# Altium PCB PMSM_Motor_Controller_v2_PCB.PcbDoc (part 2 of 3) (continued)
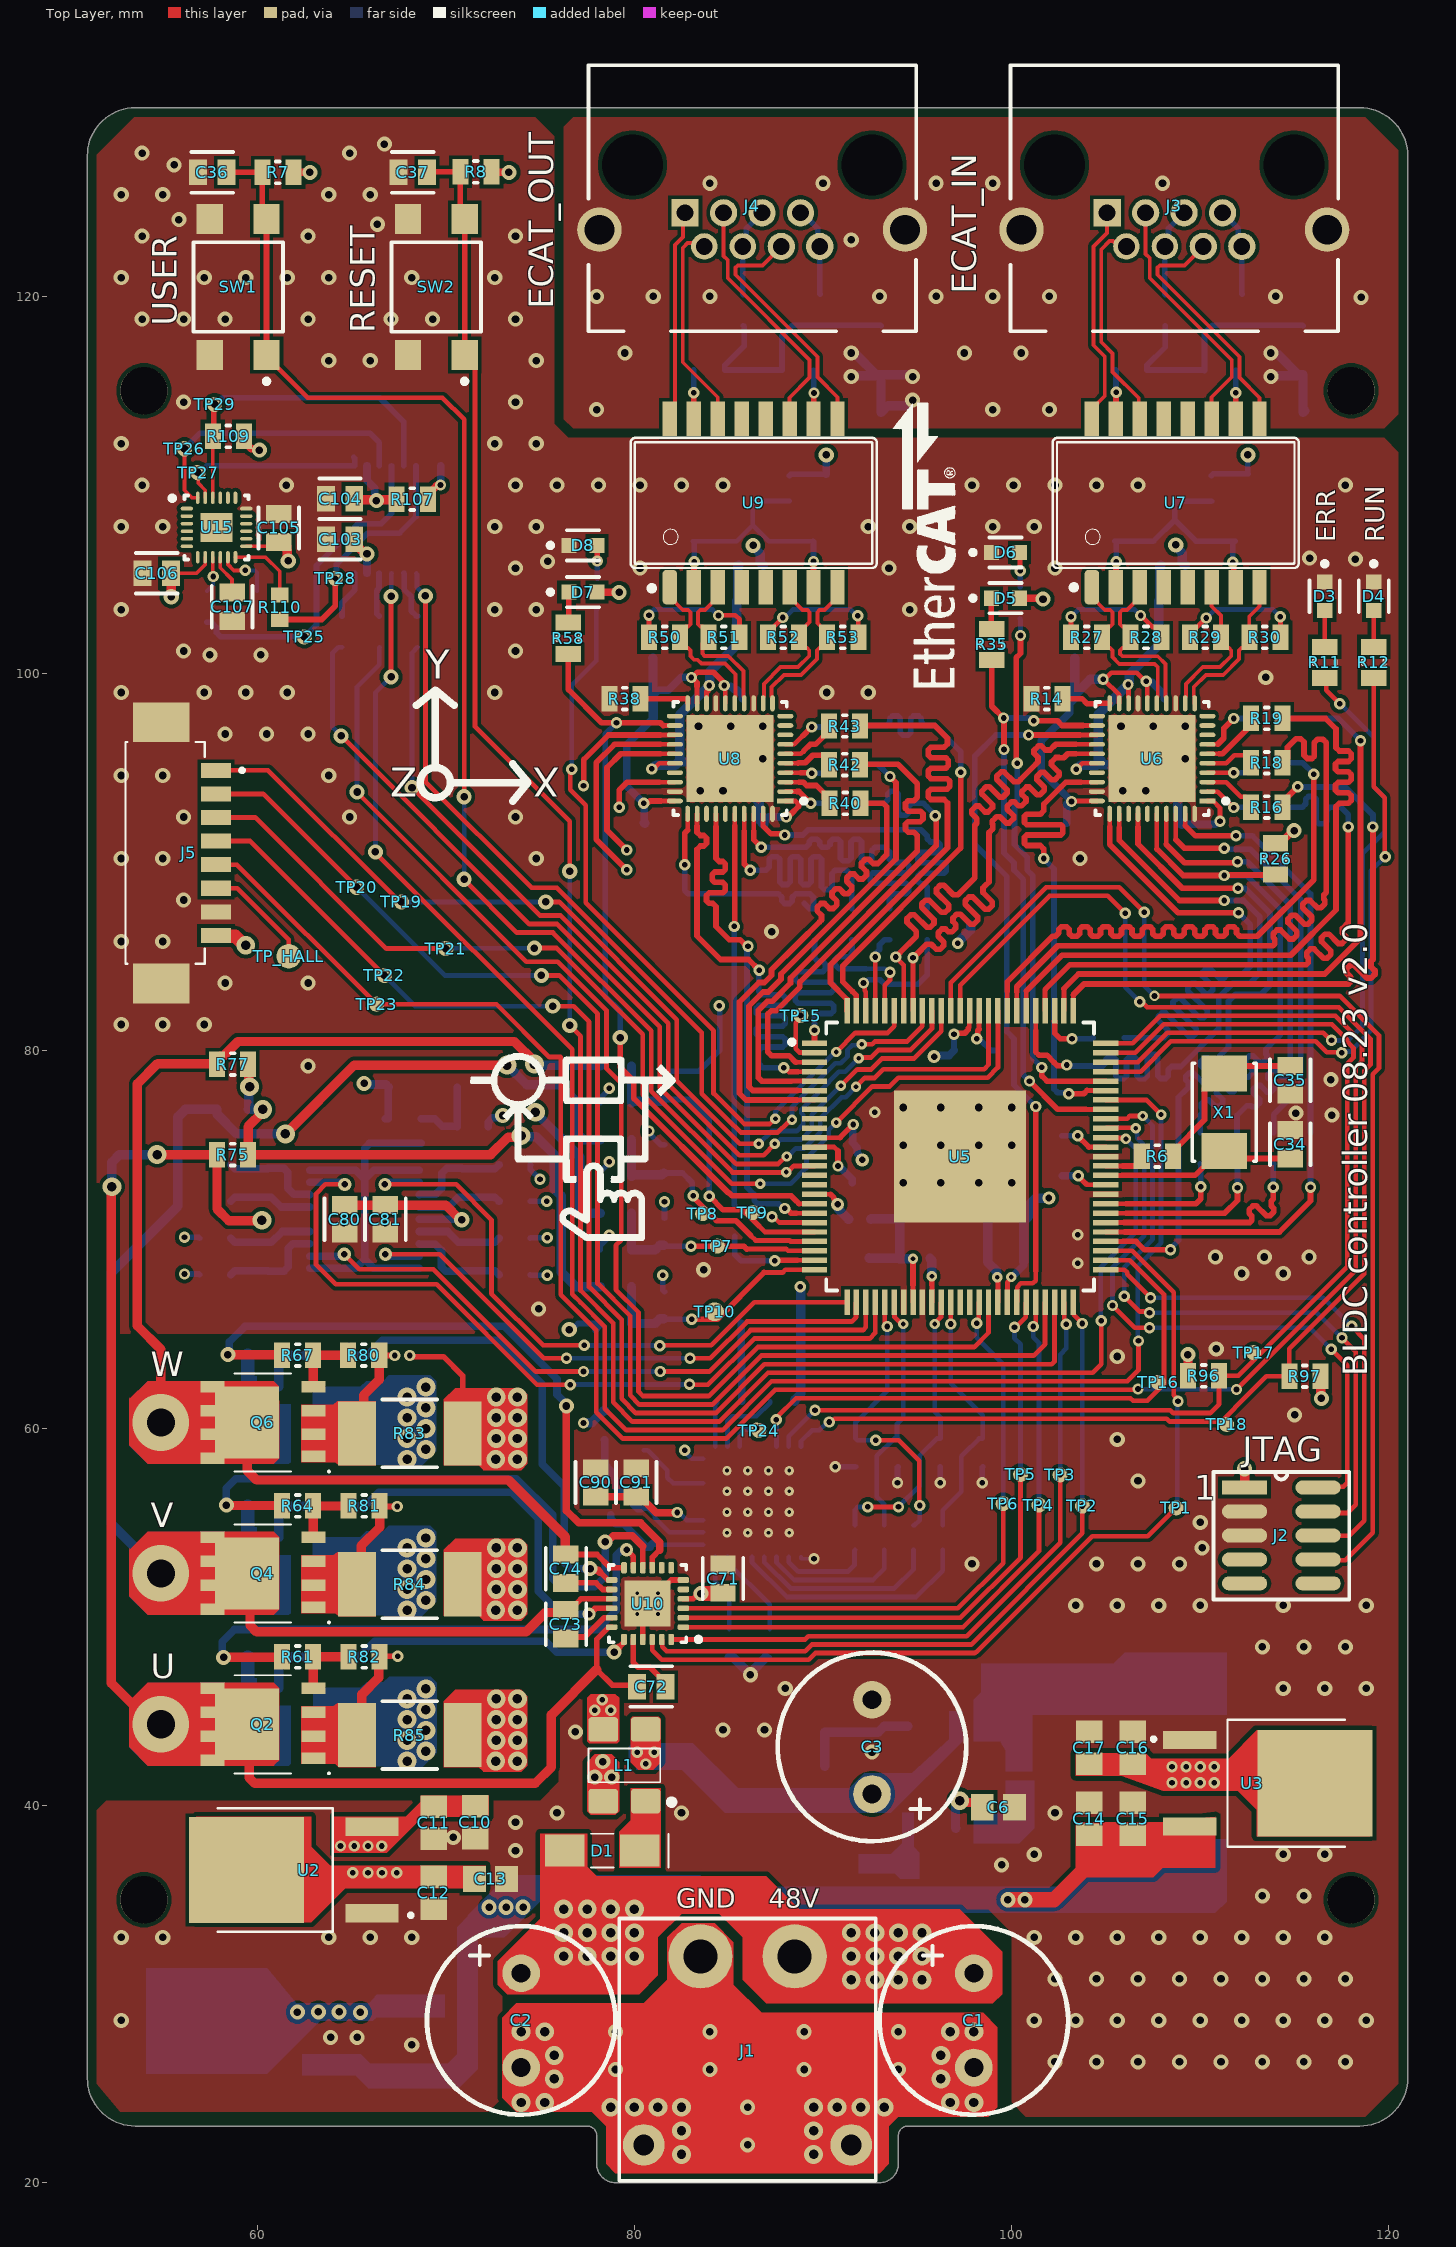
[diagram p0: Top Layer view]
## Nets (pads, with @x,y where several pads share a name; then routed paths per layer and width w, separated by ;. In a path a pad name is that pad's centre, name@x,y a point inside that pad or via, vN(x,y) a via of type N, cw(c..) or ccw(c..) an arc to the next point about the centre after c; other vN are vias at no path point) (continued)
  Top Layer w0.25: 88.33,78.4 88.335,78.4 U5.5@89.55,78.4
  Top Layer w0.3: 88.33,78.4 86.751,78.4 86.575,78.576 86.575,82.156 87.044,82.625 87.308,82.625 88.275,83.592 88.275,83.868 95,90.593 95,91.275 95,91.425 94.824,91.601 94.514,91.601 94.375,91.739 94.375,92.016 94.514,92.155 95.162,92.155 95.3,92.293 95.3,92.57 95.162,92.709 94.514,92.709 94.375,92.847 94.375,93.124 94.514,93.263 94.824,93.263 95,93.438 95,94.08 95,94.168 93.968,95.2 92,95.2 R42.1@91.975,95.175
ECAT_OUT_TXD2: R43.1 U5.100 | length 27.7
  Top Layer w0.3: U5.100@91.275,82.125 91.275,82.733 90.398,83.61 90.398,84.565 96.6,90.767 96.6,93 96.6,93.15 96.424,93.326 95.722,93.326 95.584,93.464 95.584,93.741 95.722,93.88 96.584,93.88 96.722,94.018 96.722,94.295 96.584,94.434 95.722,94.434 95.584,94.572 95.584,94.849 95.722,94.988 96.512,94.988 96.65,95.126 96.65,95.403 96.512,95.542 95.722,95.542 95.584,95.68 95.584,95.957 95.722,96.096 96.424,96.096 96.6,96.271 96.6,96.575 95.925,97.25 92,97.25 R43.1@91.975,97.225
ECAT_OUT_TXD3: R44.1 U5.99 | length 24.9
  Top Layer w0.25: 91.77,82.83 91.77,82.13 U5.99@91.775,82.125
  Top Layer w0.3: 91.77,82.83 91.77,82.945 91.565,83.15 91.057,83.658 91.057,84.517 97.3,90.76 v2(97.3,94.775)
  Bottom Layer w0.3: R44.1@91.975,97.225 92,97.25 93.219,97.25 93.369,97.25 93.545,97.426 93.545,97.62 93.684,97.758 93.961,97.758 94.099,97.62 94.099,96.88 94.238,96.742 94.515,96.742 94.653,96.88 94.653,97.62 94.792,97.758 95.069,97.758 95.207,97.62 95.207,97.426 95.383,97.25 95.925,97.25 97.3,95.875 v2(97.3,94.775)
ECAT_PHY_CLK25: R10.2 U5.70 U6.28 U8.28 | length 54.8
  Top Layer w0.25: 81.325,94.25 U8.28@82.147,94.25 ; 103.675,94.25 U6.28@104.522,94.25 ; 104,77.9 U5.70@105,77.9
  Top Layer w0.3: v2(79.2,92.925) 79.2,93.825 79.625,94.25 81.325,94.25 ; v2(101.7,90.2) 101.7,90.563 101.7,90.713 101.524,90.888 100.795,90.888 100.684,90.999 100.684,91.331 100.795,91.442 102.605,91.442 102.716,91.553 102.716,91.885 102.605,91.996 100.795,91.996 100.684,92.107 100.684,92.439 100.795,92.55 101.524,92.55 101.7,92.726 101.7,93.075 101.718,93.093 102.875,94.25 103.075,94.25 103.675,94.25 ; v2(103.025,77.725) 103.825,77.725 104,77.9
  Int2 (PWR) w0.3: v2(79.2,92.925) 80.5,91.625 84.981,91.625 86.456,90.15 101.65,90.15 v2(101.7,90.2)
  Bottom Layer w0.3: v2(101.7,90.2) 102.25,89.65 102.25,83.125 102.25,77.975 102.443,77.782 102.968,77.782 v2(103.025,77.725)
ECAT_PHY_MCLK: U5.93 U6.25 U8.25 | length 55.2
  Top Layer w0.25: 81.375,95.75 U8.25@82.147,95.75 ; U5.93@94.775,82.125 v2(94.775,84.934) ; 103.4,95.75 U6.25@104.522,95.75
  Top Layer w0.3: v2(79.6,90.65) 78.55,91.7 78.55,95.025 79.275,95.75 81.375,95.75 ; v2(94.775,84.934) 94.996,85.154 95.493,85.652 95.742,85.652 96.01,85.384 96.206,85.384 96.402,85.58 96.402,85.776 96.107,86.07 96.107,86.266 96.303,86.462 96.499,86.462 96.648,86.313 96.844,86.313 97.04,86.509 97.04,86.705 96.891,86.854 96.891,87.05 97.087,87.246 97.283,87.246 97.805,86.723 98.001,86.723 98.197,86.919 98.197,87.115 97.545,87.767 97.545,87.963 97.741,88.159 97.936,88.159 98.589,87.506 98.784,87.506 98.98,87.702 98.98,87.898 98.484,88.394 98.484,88.643 98.596,88.754 98.8,88.959 98.8,91.575 98.848,91.623 98.887,91.662 98.993,91.768 98.993,92.017 98.98,92.03 98.98,92.187 99.215,92.422 99.372,92.422 99.714,92.079 99.871,92.079 100.106,92.314 100.106,92.471 99.763,92.813 99.763,92.97 99.998,93.205 100.155,93.205 100.371,92.99 100.527,92.99 100.762,93.225 100.762,93.381 100.547,93.597 100.547,93.754 100.782,93.989 100.939,93.989 101.344,93.583 101.501,93.583 101.736,93.818 101.736,93.975 101.33,94.38 101.33,94.537 101.565,94.772 101.722,94.772 102.128,94.367 102.284,94.367 102.519,94.602 102.519,94.758 102.114,95.164 102.114,95.321 102.349,95.556 102.506,95.556 102.519,95.542 102.767,95.542 102.975,95.75 103.015,95.75 103.055,95.75 103.4,95.75
  Int2 (PWR) w0.3: v2(79.6,90.65) 81.775,88.475 91.269,88.475 94.775,84.969 v2(94.775,84.934)
ECAT_PHY_MDO: U5.94 U6.24 U8.24 | length 58.4
  Top Layer w0.25: 81.375,96.25 U8.24@82.147,96.25 ; v2(93.85,84.975) 94.275,84.55 U5.94@94.275,82.125 ; 103.4,96.25 U6.24@104.522,96.25
  Top Layer w0.3: v2(79.597,89.597) 77.975,91.219 77.975,95.275 78.95,96.25 81.375,96.25 ; v2(93.85,84.975) 94.061,85.186 94.95,86.075 94.95,86.324 94.454,86.82 94.454,87.016 94.65,87.212 94.846,87.212 95.498,86.56 95.694,86.56 95.89,86.756 95.89,86.952 95.238,87.604 95.238,87.799 95.433,87.995 95.629,87.995 96.281,87.343 96.477,87.343 96.673,87.539 96.673,87.735 96.021,88.387 96.021,88.583 96.217,88.779 96.413,88.779 96.909,88.283 97.158,88.283 98,89.125 98.05,89.175 98.05,91.964 98.156,92.07 98.156,92.318 97.878,92.596 97.878,92.753 98.113,92.988 98.27,92.988 98.594,92.664 98.75,92.664 98.985,92.899 98.985,93.056 98.424,93.618 98.424,93.774 98.659,94.009 98.815,94.009 99.377,93.448 99.534,93.448 99.769,93.683 99.769,93.839 99.207,94.401 99.207,94.558 99.442,94.793 99.599,94.793 100.115,94.277 100.363,94.277 100.474,94.388 101.296,95.21 101.402,95.316 101.402,95.565 101.187,95.78 101.187,95.937 101.422,96.172 101.579,96.172 101.794,95.956 102.042,95.956 102.317,96.23 102.336,96.25 103.4,96.25
  Int2 (PWR) w0.3: v2@79.575,89.619 v2(79.597,89.597) 79.597,89.553 81.3,87.85 90.975,87.85 v2(93.85,84.975)
ECAT_PHY_RST: C38.2 R9.1 U5.44 U6.23 U8.23 | length 78.1
  Top Layer w0.25: 81.375,96.75 U8.23@82.147,96.75 ; U5.44@100.275,66.675 100.295,66.695 100.295,67.475 100.495,67.675 101.129,67.675 101.275,67.821 101.275,68.341 ; 103.625,96.75 U6.23@104.522,96.75
  Top Layer w0.3: v2(77.3,94.05) 77.325,94.075 77.325,95.45 78.625,96.75 81.375,96.75 ; v2(100.9,96.75) 103.625,96.75 ; 101.275,68.341 v2(101.275,77.05)
  Int2 (PWR) w0.3: v2(77.3,94.05) 77.3,90.975 81.025,87.25 87.411,87.25 89.325,85.336 89.325,84.425 94.925,78.825 99.5,78.825 v2(101.275,77.05)
  Bottom Layer w0.3: v2(100.9,96.75) 99.175,96.75 98.05,95.625 98.05,90.95 99.75,89.25 99.75,87.775 99.75,86.675 99.75,85.7 99.75,84.6 99.75,81.02 100.125,80.645 100.125,78.2 v2(101.275,77.05)
ENC_COS_N: C100.1 R100.2 U5.36 | length 15.3
  Top Layer w0.25: v2(92.375,55.825) v2(94,55.825) ; v4(95.925,65.525) 95.925,65.545 96.255,65.875 96.255,66.655 U5.36@96.275,66.675
  Bottom Layer w0.25: R100.2@91.7,54.85 91.7,55.679 91.846,55.825 v2(92.375,55.825) ; v2(94,55.825) 95.125,56.95 95.125,58.55 96.025,59.45 C100.1@96.225,59.45 96.225,60.575 95.925,60.875 v4(95.925,65.525)
ENC_COS_P: C99.1 R101.2 U5.37 | length 13.5
  Top Layer w0.25: v2(96.773,65.526) U5.37@96.775,66.675
  Bottom Layer w0.25: R101.2@96.35,54.85 96.35,55.65 97.325,56.625 97.325,58.504 97.471,58.65 97.475,58.65 98.275,59.45 C99.1@98.475,59.45 98.475,60.675 96.773,62.377 v2(96.773,65.526)
ENC_MAG: TP15.1 U5.2 U13.32 | length 32.8
  Top Layer w0.25: v2(88.825,81.875) 88.825,81.78 88.55,81.505 88.55,80.12 88.75,79.92 89.53,79.92 U5.2@89.55,79.9
  Int2 (PWR) w0.25: v2(82.675,58.825) 82.675,59.5 85.475,62.3 85.475,82.025 86.1,82.65 88.629,82.65 88.775,82.504 88.775,81.925 v2(88.825,81.875)
  Bottom Layer w0.25: v2(82.675,58.825) 82.675,58.73 83.03,58.375 U13.32@83.635,58.375
ENC_SCL: R97.1 TP18.1 U5.88 U13.8 | length 77.9
  Top Layer w0.25: v2(90.325,60.325) 90.42,60.325 90.595,60.5 108.23,60.5 108.38,60.35 111.109,60.35 112.55,61.791 113.509,62.75 R97.1@114.725,62.75 114.725,64.202 118.7,68.177 118.7,78.943 119.025,79.268 119.025,80.646 117.356,82.315 107.18,82.315 106.887,82.608 v2(106.792,82.608) ; U5.88@97.275,82.125 97.275,83.489 102.011,88.225 105.1,88.225 v2(106.025,87.3)
  Bottom Layer w0.25: U13.8@88.835,59.025 88.835,59.3 89.42,59.885 89.81,59.885 90.251,60.325 v2(90.325,60.325) ; v2(106.025,87.3) 106.025,83.375 v2(106.792,82.608)
ENC_SDA: R96.1 TP17.1 U5.74 U13.7 | length 61
  Top Layer w0.25: v2(89.575,60.95) 108.416,60.95 108.566,60.8 110.525,60.8 111,61.275 R96.1@111,62.775 112.025,62.775 117.8,68.55 117.8,79.316 118.125,79.641 118.125,80.159 117.8,80.484 117.8,80.598 116.983,81.415 108.076,81.415 106.561,79.9 U5.74@105,79.9
  Bottom Layer w0.25: U13.7@88.185,59.025 88.185,59.56 v2(89.575,60.95)
ENC_SIN_N: C102.1 R98.2 U5.30 | length 15.4
  Top Layer w0.25: v2(92.8,59.359) 94.016,59.359 95.1,58.275 95.1,55.925 v2(95.125,55.9) ; U5.30@93.275,66.675 93.275,65.606 93.4,65.481 v2(93.4,65.386)
  Bottom Layer w0.25: v2(92.8,59.359) 91.816,59.359 C102.1@91.725,59.45 91.725,60.3 93.4,61.975 v2(93.4,65.386) ; R98.2@94.8,54.85 94.85,54.85 95.125,55.125 v2(95.125,55.9)
ENC_SIN_P: C101.1 R99.2 U5.31 | length 13
  Top Layer w0.25: U5.31@93.775,66.675 93.795,66.655 93.795,65.875 94.088,65.582 94.193,65.582 v4(94.25,65.525)
  Bottom Layer w0.25: R99.2@93.25,54.85 93.25,55.975 92.85,56.375 92.85,58.525 93.775,59.45 C101.1@93.975,59.45 93.925,59.5 93.925,60.225 94.25,60.55 v4(94.25,65.525)
ENC_TO: TP24.1 U5.20 U13.3 | length 15.9
  Top Layer w0.25: v2(87.3,71.2) 87.395,71.2 87.695,70.9 U5.20@89.55,70.9
  Int2 (PWR) w0.25: v2(86.475,60) 86.5,60.025 86.5,70.85 86.8,71.15 87.25,71.15 v2(87.3,71.2)
  Bottom Layer w0.25: U13.3@85.585,59.025 85.585,59.685 85.833,59.933 86.408,59.933 v2(86.475,60)
ENC_ZERO: TP16.1 U5.52 U13.6 | length 31.5
  Top Layer w0.25: v2(87.525,60.45) 87.525,60.545 88.57,61.589 106.302,61.589 106.441,61.45 107.2,61.45 108.075,62.325 108.075,67.089 106.264,68.9 U5.52@105,68.9
  Bottom Layer w0.25: v2(87.525,60.45) 87.535,60.44 U13.6@87.535,59.025
GATE_DRV_HA: TP1.1 U5.53 U10.22 | length 48
  Top Layer w0.25: U10.22@80.95,48.8 80.95,48.221 81.446,47.725 89.25,47.725 89.6,48.075 98.036,48.075 98.086,48.125 98.125,48.125 104.275,54.275 107.225,54.275 v2(108.725,55.775) ; U5.53@105,69.4 106.4,69.4 108.6,67.2 108.6,61.745 108.825,61.52 v2(108.825,61.425)
  Bottom Layer w0.25: v2(108.725,55.775) 108.775,55.825 108.775,61.375 v2(108.825,61.425)
GATE_DRV_HB: TP2.1 U5.50 U10.23 | length 37.8
  Top Layer w0.25: U10.23@81.45,48.8 81.475,48.775 81.475,48.409 81.709,48.175 89.064,48.175 89.414,48.525 97.85,48.525 103.75,54.425 v2(103.75,55.875) ; U5.50@103.275,66.675 103.295,66.655 103.295,66.005 v2(103.75,65.55)
  Bottom Layer w0.25: v2(103.75,55.875) v2(103.75,65.55)
GATE_DRV_HC: TP3.1 U5.49 U10.24 | length 35.7
  Top Layer w0.25: U10.24@81.95,48.8 89.052,48.8 89.227,48.975 97.625,48.975 102.575,53.925 v2(102.575,57.525) ; U5.49@102.775,66.675 102.795,66.655 102.795,65.716 102.9,65.611 v2(102.9,65.516)
  Bottom Layer w0.25: v2(102.575,57.525) 102.575,63.9 102.9,64.225 v2(102.9,65.516)
GATE_DRV_LA: TP4.1 U5.46 U10.1 | length 33.9
  Top Layer w0.25: U10.1@82.6,49.45 97.423,49.45 101.45,53.477 v2(101.45,55.925) ; v2(101.15,65.386) 101.15,65.481 101.275,65.606 U5.46@101.275,66.675
  Bottom Layer w0.25: v2(101.15,65.386) 101.15,64.825 101.45,64.525 v2(101.45,55.925)
GATE_DRV_LB: TP5.1 U5.45 U10.2 | length 33.2
  Top Layer w0.25: U10.2@82.6,49.95 97.286,49.95 100.475,53.139 v2(100.475,57.55) ; v2(100.15,65.35) 100.23,65.35 100.755,65.875 100.755,66.655 U5.45@100.775,66.675
  Bottom Layer w0.25: v2(100.15,65.35) 100.15,64.775 100.475,64.45 v2(100.475,57.55)
GATE_DRV_LC: TP6.1 U5.40 U10.3 | length 32.4
  Top Layer w0.25: U10.3@82.6,50.45 97.15,50.45 99.55,52.85 v2(99.55,56) ; v2(98.15,65.556) 98.15,65.651 98.255,65.756 98.255,66.655 U5.40@98.275,66.675
  Bottom Layer w0.25: v2(98.15,65.556) 98.15,64.8 99.55,63.4 v2(99.55,56)
GND: C3.1 C4.1 C6.1 C7.1 C8.1 C9.1 C10.1 C11.1 C12.1 C13.1 C14.1 C15.1 C16.1 C17.1 C18.1 C19.1 C20.1 C21.1 C22.2 C23.1 C24.2 C25.2 C26.2 C27.2 C28.2 C29.2 C30.2 C31.2 C32.2 C33.2 C34.1 C35.1 C36.2 C37.2 C38.1 C39.2 C40.1 C41.1 C42.1 C43.2 C44.2 C45.2 C46.2 C47.2 C48.2 C49.2 C50.2 C51.2 C52.2 C53.2 C55.2 C56.1 C57.1 C58.1 C59.2 C60.2 C61.2 C62.2 C63.2 C64.2 C65.2 C66.2 C67.2 C68.2 C69.2 C71.2 C79.1 C80.1 C81.1 C86.2 C87.2 C88.2 C89.2 C90.2 C91.2 C92.2 C93.2 C94.2 C95.2 C96.2 C97.2 C98.2 C99.2 C100.2 C101.2 C102.2 C103.2 C104.2 C105.2 C106.2 C107.1 D2.1 D3.1 D4.1 D6.1 D8.1 J2.3 J2.5 J5.7 J5.S1 J5.S2 L1.3 R2.1 R4.1 R10.1 R14.1 R38.1 R87.2 R111.1 SW1.3 SW1.4 SW2.3 SW2.4 U1.3 U1.6 U2.1 U3.1 U4.1 U5.32 U5.34 U5.59 U5.63 U5.101 U6.13 U6.17 U6.29 U6.40 U6.41 U8.13 U8.17 U8.29 U8.40 U8.41 U10.6 U10.21 U10.25 U11.2 U12.16 U13.4 U13.17 U13.28 U13.29 U13.33 U14.9 U15.18 | length 10.5
  Top Layer w0.3: v5(80.15,50.15) 80.45,49.85 U10.21@80.45,48.8 ; v5(81.25,51.25) 81.95,51.95 U10.6@82.6,51.95
  Bottom Layer w0.2: v1(86.15,46.925) v1@86.15,47.025 ; C86.2@86.975,47.85 C86.2@87.175,47.85 C86.2@87.2,47.875 ; U13.17@88.835,53.175 88.835,53.098 88.858,53.075 v2(89.525,53.075)
  Bottom Layer w0.3: v2(90.65,57.95) C102.2@91.725,57.95 ; v2(93.95,57.1) 93.95,57.925 C101.2@93.975,57.95 ; v2(96.225,57.1) C100.2@96.225,57.95 ; v2(98.45,57.1) 98.45,57.925 C99.2@98.475,57.95
  Bottom Layer w0.5: C87.2@85.025,47.85 85.225,47.85 v1(86.15,46.925) ; v1@86.15,47.025 C86.2@86.975,47.85
  other v1: 102.3,26.4 104.5,26.4 106.7,26.4 108.9,26.4 111.1,26.4 113.3,26.4 115.5,26.4 117.7,26.4 68.2,27.3 63.9,27.7 65.3,27.7 52.8,28.6 101.2,28.6 103.4,28.6 105.6,28.6 107.8,28.6 110,28.6 112.2,28.6 114.4,28.6 116.6,28.6 118.8,28.6 102.3,30.8 104.5,30.8 106.7,30.8 108.9,30.8 111.1,30.8 113.3,30.8 115.5,30.8 117.7,30.8 52.8,33 55,33 63.8,33 66,33 68.2,33 101.2,33 103.4,33 105.6,33 107.8,33 110,33 112.2,33 114.4,33 116.6,33 113.3,35.2 115.5,35.2 99.475,36.85 101.2,37.4 114.4,37.4 116.6,37.4 73.7,37.6 70.4,38.3 73.7,39.1 75.9,39.6 82.5,39.6 102.3,39.6 92.6,42.825 76.875,43.9 84.7,44 86.9,44 88,46.2 114.4,46.2 116.6,46.2 118.8,46.2 113.3,48.4 115.5,48.4 117.7,48.4 103.4,50.6 105.6,50.6 107.8,50.6 110,50.6 114.4,50.6 118.8,50.6 97.9,52.8 104.5,52.8 106.7,52.8 108.9,52.8 110.1,53.65 110,55 106.7,57.2 105.6,59.4 115,60.7 105.6,63.8 110.85,64.2 74.925,66.325 112.2,68.2 114.4,68.2 83.675,68.4 110.8,69.075 113.4,69.075 115.775,69.075 94.25,73 96.25,73 98.25,73 100,73 94.25,75 96.25,75 98.25,75 100,75 116.975,76.6 115.075,76.7 94.25,77 96.25,77 98.25,77 100,77 116.925,78.475 62.7,79.2 52.8,81.4 55,81.4 57.2,81.4 58.3,83.6 62.7,83.6 52.8,85.8 55,85.8 87.275,86.325 56.1,88 52.8,90.2 55,90.2 74.8,90.2 103.625,90.2 56.1,92.4 64.9,92.4 73.7,92.4 83.5,93.8 84.7,93.8 105.9,93.8 107.1,93.8 52.8,94.6 55,94.6 63.8,94.6 86.8,95.5 109.2,95.5 58.3,96.8 60.5,96.8 62.7,96.8 83.4,97.2 85.1,97.2 86.8,97.2 105.8,97.2 107.5,97.2 109.2,97.2 52.8,99 57.2,99 59.4,99 61.6,99 72.6,99 90.2,99 92.4,99 113.475,99.8 57.5,101 60.2,101 56.1,101.2 73.7,101.2 52.8,103.4 72.6,103.4 74.8,103.4 94.6,103.4 73.7,105.6 80.3,105.6 93.5,105.6 102.3,105.6 75.4,105.95 118.225,106.075 115.8,106.125 52.8,107.8 55,107.8 72.6,107.8 74.8,107.8 92.4,107.8 94.6,107.8 99,107.8 101.2,107.8 53.9,110 61.55,110 73.7,110 75.9,110 78.1,110 80.3,110 82.5,110 84.7,110 97.9,110 100.1,110 102.3,110 104.5,110 106.7,110 117.7,110 52.8,112.2 72.6,112.2 74.8,112.2 56.1,114.4 73.7,114.4 63.8,116.6 66,116.6 74.8,116.6 53.9,118.8 56.1,118.8 58.3,118.8 62.7,118.8 67.1,118.8 69.3,118.8 73.7,118.8 52.8,121 57.2,121 59.4,121 61.6,121 63.8,121 68.2,121 72.6,121 53.9,123.2 62.7,123.2 73.7,123.2 66.375,123.825 55.85,124.075 52.8,125.4 55,125.4 63.8,125.4 66,125.4 55.6,126.975 53.9,127.6 64.9,127.6 66.75,128.075
  other v2: 77.9,45.05 78.75,45.05 78.3,45.6 103.5,68.75 103.5,70.25 64.6,70.85 66.8,70.85 92.75,76.75
  other v5: 81.25,50.15 80.15,51.25 84.91,54.45 86.01,54.45 87.11,54.45 88.21,54.45 84.91,55.55 86.01,55.55 87.11,55.55 88.21,55.55 84.91,56.65 86.01,56.65 87.11,56.65 88.21,56.65 84.91,57.75 86.01,57.75 87.11,57.75 88.21,57.75
GND_C: C1.1 C2.1 C75.1 C76.1 C77.1 C78.1 J1.2 J1.g L1.4 R70.2 R72.2 R74.2 R79.2 R83.1 R84.1 R85.1 R89.1 R91.1 R93.1 | length 38.9
  Top Layer w0.3: v2(68.1,63.85) 68.157,63.793 69.88,63.793 70.9,62.772 R83.1@70.9,59.725
  Int2 (PWR) w0.3: v2(56.15,68.175) 55.876,68.175 55.7,67.999 55.7,67.032 56.582,66.15 66.882,66.15 68.1,64.932 v2(68.1,63.85)
  Bottom Layer w0.3: v2(56.15,68.175) 56.9,68.175 R89.1@56.95,68.125 ; R91.1@74.475,68.125 74.5,68.1 v2(75.375,68.1) ; R93.1@74.5,73.95 R93.1@74.475,73.975 74.475,73.725 75,73.2 v2(75,73.19) ; v1(76.55,65.225) 76.685,65.225 77.01,65.55 R79.2@78.2,65.55 78.2,65.442 R79.2@77.925,65.167 ; R70.2@78.2,69.45 78.2,69.7 78.675,70.175 v2(78.675,70.228) ; R72.2@78.2,73.35 78.2,73.6 78.675,74.075 v2(78.675,74.128) ; R74.2@78.2,77.25 78.2,77.5 78.675,77.975 v2(78.675,78.028) ; v2(80.775,75.75) 80.832,75.693 80.832,75.593 81.4,75.025 C76.1@81.6,75.025 ; v2(81.5,68.1) 81.5,67.325 C78.1@81.6,67.225 ; C77.1@81.55,78.925 83.425,78.925 84.522,80.022 84.522,82.378 v2(84.5,82.4) ; C75.1@81.6,71.125 v2(81.6,72)
  other v1: 86,22 86,24 79,26 84,26 89,26 94,26 79,28 84,28 89,28 94,28 77.9,41.5 78.8,41.5 78.325,42.325
  other v3: 82.5,21.5 89.5,21.5 82.5,22.75 89.5,22.75 78.75,24 80,24 81.25,24 82.5,24 89.5,24 90.75,24 92,24 93.25,24 74,24.25 75.25,24.25 96.75,24.25 98,24.25 75.75,25.5 96.25,25.5 75.75,26.75 96.25,26.75 74,28 75.25,28 96.75,28 98,28 72.65,42.35 73.8,42.35 72.675,43.45 73.8,43.45 72.675,44.55 73.8,44.55 72.675,45.65 73.8,45.65 72.65,50.35 73.8,50.35 72.675,51.45 73.8,51.45 72.675,52.55 73.8,52.55 72.675,53.65 73.8,53.65 72.65,58.35 73.8,58.35 72.675,59.45 73.8,59.45 72.675,60.55 73.8,60.55 72.675,61.65 73.8,61.65
GND_CHASIS: C53.1 C54.2 C69.1 C70.2 J3.MH1 J3.MH2 J4.MH1 J4.MH2 | length 15.4
  Bottom Layer w0.5: v1(91.5,115.75) 91.55,115.8 93.025,115.8 C70.2@93.075,115.85 ; v1(91.5,117) 91.557,116.943 91.731,116.943 92.824,115.85 C70.2@93.075,115.85 ; v1@94.7,115.8 v1(94.75,115.75) 94.669,115.75 94.569,115.85 C70.2@93.075,115.85 ; v1(94.75,114.5) 94.669,114.5 94.371,114.202 93.427,114.202 C69.1@93.075,113.85 C70.2@93.075,115.85 ; v1(113.75,115.75) 113.8,115.8 115.4,115.8 C54.2@115.45,115.85 ; v1(113.75,117) 113.807,116.943 114.106,116.943 115.199,115.85 C54.2@115.45,115.85 ; C53.1@115.542,113.943 C53.1@115.45,113.85 C54.2@115.45,115.85
  other v1: 78,114 99,114 102,114 79.5,117 97.5,117 100.5,117 118.525,119.95 78,120 81,120 84,120 93,120 96,120 99,120 102,120 114,120 91.5,123 84,126 90,126 96,126 99,126 108,126
HALL_CLK: J5.4 TP22.1 U5.48 | length 72
  Top Layer w0.25: J5.4@57.825,91.125 59.625,91.125 v1(66.75,84) ; v1(75.675,82.375) 76.775,82.375 77.6,81.55 77.6,67.691 77.6,67.484 79.325,65.759 79.325,61.56 80.085,60.8 84.309,60.8 86.898,63.389 102.129,63.389 102.275,63.536 U5.48@102.275,66.675
  Bottom Layer w0.25: v1(66.75,84) 68.375,82.375 v1(75.675,82.375)
HALL_CS: J5.3 TP21.1 U5.84 | length 57.5
  Top Layer w0.25: J5.3@57.825,92.375 59.9,92.375 66.85,85.425 v1(70,85.425) TP21.1@69.975,85.4 ; v1(74.7,85.45) 75.875,85.45 80.45,80.875 80.45,77.678 85.171,72.956 v4(86.673,72.956) ; v4(90.7,76.2) 90.7,76.201 92.615,78.116 93.532,78.116 93.99,78.575 98.725,78.575 99.275,79.125 U5.84@99.275,82.125
  Bottom Layer w0.25: v1(70,85.425) 70.012,85.437 74.688,85.437 v1(74.7,85.45) ; v4(86.673,72.956) 88.28,72.956 89.121,73.798 89.121,74.314 90.309,75.502 90.309,75.809 v4(90.7,76.2)
HALL_INT: J5.5 TP23.1 U5.75 | length 113.7
  Top Layer w0.25: J5.5@57.825,89.875 58.932,89.875 TP23.1@66.332,82.475 72.692,82.475 75.492,79.675 76.1,79.675 76.1,67.075 77.975,65.2 77.975,60.854 79.379,59.45 84.868,59.45 87.458,62.039 106.689,62.039 v2@106.712,62.062 ; U5.75@105,80.4 106.425,80.4 107.89,81.865 117.169,81.865 118.575,80.459 118.575,79.455 118.25,79.13 118.25,68.364 111.936,62.05 v2(111.925,62.05)
  Bottom Layer w0.25: v2(106.7,62.075) 106.712,62.062 111.913,62.062 v2(111.925,62.05)
HALL_MISO: J5.2 TP20.1 U5.47 | length 71.8
  Top Layer w0.25: J5.2@57.825,93.625 60.325,93.625 v1(65.275,88.675) ; v1(75.075,84) 76.025,84 77.475,82.55 78.05,81.975 78.05,67.671 79.775,65.946 79.775,61.746 80.271,61.25 84.123,61.25 86.723,63.85 101.179,63.85 101.775,64.446 U5.47@101.775,66.675
  Bottom Layer w0.25: v1(65.275,88.675) 69.95,84 v1(75.075,84) v1@75.038,83.962
HALL_MOSI: J5.1 TP19.1 U5.91 | length 52.2
  Top Layer w0.25: J5.1@57.825,94.875 60.575,94.875 67.55,87.9 v1(67.65,87.9) ; v1(75.301,87.9) 76.009,87.9 82.25,81.659 82.25,78.423 85.598,75.075 v4(86.6,75.075) ; v4(91.895,79.616) 91.928,79.649 92.545,79.649 92.946,80.05 94.651,80.05 95.775,81.174 U5.91@95.775,82.125
  Bottom Layer w0.25: v1(67.65,87.9) v1(75.301,87.9) v1@75.288,87.887 ; v4(86.6,75.075) 87.275,75.75 88.608,75.75 88.959,76.101 88.959,76.599 88.866,76.692 88.866,76.899 89.82,77.852 89.82,77.869 90.842,78.891 91.17,78.891 v4(91.895,79.616)
ICM_CLK: TP27.1 U14.1 U15.23 | length 10.4
  Top Layer w0.2: v1(56.85,110.675) TP27.1@56.875,110.65 56.875,110.1 57.25,109.725 U15.23@57.25,109.325
  Bottom Layer w0.3: v1(56.85,110.675) 56.985,110.675 57.335,111.025 U14.1@65.175,111.025 65.175,111.415 U14.1@65.125,111.465
ICM_CS: R109.1 TP29.1 U14.5 U15.22 | length 18
  Top Layer w0.2: U15.22@57.65,109.325 R109.1@57.65,112.575
  Top Layer w0.3: R109.1@57.65,112.575 57.7,112.625 57.7,114.225 v1(57.75,114.275)
  Bottom Layer w0.3: v1(57.75,114.275) 57.826,114.275 58.176,114.625 66.5,114.625 67.775,113.35 U14.5@67.775,111.025
ICM_INT: R110.2 TP28.1 U14.6 | length 13.4
  Top Layer w0.3: R110.2@61.2,102.875 63.425,102.875 64.15,103.6 v2(64.15,105.05)
  Bottom Layer w0.3: v2(64.15,105.05) 64.207,105.107 64.207,105.793 65.864,107.45 67.55,107.45 68.425,108.325 U14.6@68.425,111.025
ICM_MISO: R108.1 TP25.1 U14.4 | length 17.4
  Bottom Layer w0.3: R108.1@57.325,102.725 57.575,102.725 57.85,102.45 57.85,102.176 58.076,101.95 v1(62.5,101.95) 63.15,102.6 63.15,105.736 65.364,107.95 66.575,107.95 67.125,108.5 U14.4@67.125,111.025
ICM_MOSI: TP26.1 U14.3 U15.24 | length 15.2
  Top Layer w0.2: v1(56.15,111.925) 56.15,109.725 56.55,109.325 U15.24@56.85,109.325
  Bottom Layer w0.3: v1(56.15,111.925) 56.975,112.75 65.975,112.75 66.475,112.25 U14.3@66.475,111.025
IMU_CLK: R104.2 U5.85 | length 56.3
  Top Layer w0.25: v1(64.45,96.7) 74.425,86.725 75.911,86.725 81.35,81.286 81.35,78.051 85.376,74.025 85.408,74.025 85.427,74.006 87.633,74.006 88.026,74.4 v4(88.075,74.4) ; v4(91.75,78.1) 92.216,78.566 92.735,78.566 93.194,79.025 98.539,79.025 98.775,79.261 U5.85@98.775,82.125
  Bottom Layer w0.25: v1(64.45,96.7) 64,97.15 64,101.1 64.3,101.4 R104.2@64.5,101.4 ; v4(88.075,74.4) 88.132,74.4 88.563,74.831 89.003,74.831 89.859,75.688 89.859,76.423 90.986,77.55 91.199,77.55 91.749,78.1 v4(91.75,78.1)
IMU_CS: R106.2 U5.90 | length 49.8
  Top Layer w0.25: v1(68.213,93.963) 75,87.175 76.098,87.175 81.8,81.473 81.8,78.237 85.562,74.475 86.849,74.475 v4(87.449,75.075) ; v4(90.95,78.15) 91.816,79.016 92.549,79.016 93.133,79.6 94.838,79.6 96.275,81.037 U5.90@96.275,82.125
  Bottom Layer w0.25: v1(68.213,93.963) 68.213,101.113 R106.2@68.5,101.4 ; v4(87.449,75.075) 87.52,75.075 87.745,75.3 88.835,75.3 89.409,75.874 89.409,76.609 v4(90.95,78.15)
IMU_INT: U5.92 U14.11 | length 51
  Top Layer w0.25: v1(68.925,104.125) 68.925,94.276 74.551,88.65 75.896,88.65 79.835,84.71 83.575,80.971 83.575,77.735 84.96,76.35 85.635,75.675 87.605,75.675 88.13,76.201 88.169,76.201 88.319,76.35 v4(88.359,76.35) ; v4(92.05,80.35) 92.61,80.35 92.76,80.5 94.465,80.5 95.27,81.305 95.27,81.505 95.27,82.12 U5.92@95.275,82.125
  Bottom Layer w0.25: U14.11@68.437,105.313 68.476,105.274 68.476,104.574 v1(68.925,104.125) ; v4(88.359,76.35) 88.359,77.028 88.821,77.489 88.821,77.506 90.655,79.341 90.949,79.341 91.3,79.693 91.3,80.05 91.543,80.293 91.993,80.293 v4(92.05,80.35)
IMU_MISO: U5.69 U14.13 | length 97.1
  Top Layer w0.25: v1(66.275,90.55) 66.275,90.514 76.7,80.089 76.7,67.111 77.15,66.661 78.425,65.386 78.425,61.041 79.566,59.9 84.682,59.9 87.271,62.489 106.143,62.489 106.725,63.071 v2(106.725,64.625) ; v1(67.1,99.825) v1(67.1,104.1) ; U5.69@105,77.4 107.15,77.4 v4(107.925,76.625)
  Bottom Layer w0.25: v1(66.275,90.55) 66.275,99 v1(67.1,99.825) ; v1(67.1,104.1) 67.113,104.113 67.113,105.312 U14.13@67.125,105.325 U14.13@67.138,105.313 ; v2(106.725,64.625) 106.683,64.667 106.683,68.592 107.925,69.834 107.925,70.47 v4(107.925,76.625)
IMU_MOSI: R105.2 U5.41 | length 69
  Top Layer w0.25: v1(65.3,93.725) 65.3,93.7 74.275,84.725 75.937,84.725 78.525,82.137 78.525,79.061 79.3,78.286 79.3,69.969 79.025,69.694 79.025,67.332 80.225,66.132 80.225,61.933 80.458,61.7 83.936,61.7 86.536,64.3 98.007,64.3 98.775,65.068 U5.41@98.775,66.675
  Bottom Layer w0.25: v1(65.3,93.725) 65.3,99.3 66.475,100.475 66.475,101.375 R105.2@66.5,101.4
IN_PFB: C43.1 C44.1 C45.1 C46.1 U6.16 U6.19 U6.30 | length 20.2
  Top Layer w0.25: v2(103.175,93.225) 103.196,93.246 104.518,93.246 U6.30@104.522,93.25 ; v2(104.85,99.7) v2@104.866,99.7 ; U6.19@105.7,98.428 105.696,98.432 105.696,98.87 v2@104.866,99.7 ; U6.16@107.196,98.731 107.196,99.546 v2(107.142,99.6) 107.088,99.6 106.638,100.05 105.295,100.05 104.945,99.7 v2@104.866,99.7
  Bottom Layer w0.25: C44.1@103.35,98.675 C44.1@103.35,98.875
  Bottom Layer w0.3: v2@102.925,93.104 102.972,93.104 103.094,93.225 v2(103.175,93.225)
  Bottom Layer w0.4: C46.1@102.925,92.075 v2@102.925,93.104 ; v2(103.175,93.225) 101.575,94.825 101.575,96.435 103.075,97.935 103.075,98.4 C44.1@103.35,98.675 ; v2@107.117,99.575 v2(107.142,99.6) 107.209,99.533 107.442,99.533 108.1,98.875 C45.1@108.1,98.675
  Bottom Layer w0.5: C43.1@103.35,100.825 103.35,98.875 104.175,99.7 v2(104.85,99.7)
IN_RD_N: R30.1 U6.11 U7.8 | length 8.2
  Top Layer w0.206: U6.11@109.7,98.428 109.7,98.745 109.655,98.79 109.655,99.289 110.301,99.935 111.219,99.935 112.055,100.771 112.055,101.232 112.175,101.353 112.278,101.353 112.6,101.675 R30.1@112.6,101.925 112.6,103.03 113.145,103.575 U7.8@113.145,104.586
IN_RD_P: R29.1 U6.12 U7.6 | length 8.2
  Top Layer w0.206: U6.12@109.2,98.428 109.2,98.745 109.245,98.79 109.245,99.459 110.131,100.345 111.049,100.345 111.645,100.941 111.645,101.232 111.525,101.353 111.422,101.353 111.1,101.675 R29.1@111.1,101.925 111.1,103.08 110.605,103.575 U7.6@110.605,104.586
IN_TD_N: R28.1 U6.14 U7.3 | length 9.4
  Top Layer w0.206: U7.3@106.795,104.586 106.795,104.059 106.111,103.375 105.875,103.375 105.755,103.254 105.755,102.618 105.875,102.497 105.978,102.497 106.3,102.175 R28.1@106.3,101.925 106.3,101.675 105.978,101.353 105.875,101.353 105.755,101.232 105.755,101.046 105.875,100.925 107.749,100.925 108.155,100.519 108.155,98.79 108.2,98.745 U6.14@108.2,98.428
IN_TD_P: R27.1 U6.15 U7.1 | length 9.5
  Top Layer w0.206: U7.1@104.255,104.586 104.255,104.059 104.939,103.375 105.225,103.375 105.345,103.254 105.345,102.618 105.225,102.497 105.122,102.497 104.8,102.175 R27.1@104.8,101.925 104.8,101.675 105.122,101.353 105.225,101.353 105.345,101.232 105.345,100.876 105.706,100.516 107.579,100.516 107.745,100.35 107.745,98.79 107.7,98.745 U6.15@107.7,98.428
JTAG_TCK: J2.4 U5.67 | length 36.2
  Top Layer w0.25: U5.67@105,76.4 106.121,76.4 106.271,76.55 v4(106.95,76.55) ; v2(105.975,66.999) 106.791,66.184 107.241,66.184 v2(107.308,66.117) ; J2.4@116.25,55.58 116.33,55.5 117.8,55.5 118.25,55.95 118.25,64.048 v2(117.513,64.785)
  Bottom Layer w0.25: v2(105.975,66.999) 105.975,68.52 107.475,70.02 107.475,76.025 v4(106.95,76.55) ; v2(107.308,66.117) 116.181,66.117 v2(117.513,64.785)
JTAG_TDI: J2.8 U5.89 | length 61.9
  Top Layer w0.25: U5.89@96.775,82.125 96.775,83.625 101.825,88.675 105.7,88.675 v2(107.025,87.35) ; v8(107.575,82.915) 117.392,82.915 119.475,80.832 119.475,79.082 119.15,78.757 119.15,54.45 117.7,53 116.29,53 J2.8@116.25,53.04
  Bottom Layer w0.25: v2(107.025,87.35) 107.025,83.465 v8(107.575,82.915)
JTAG_TDO: J2.6 U5.51 | length 27.7
  Top Layer w0.25: U5.51@105,68.4 105.979,68.4 106.125,68.254 106.125,68.155 v2(107.365,66.915) ; J2.6@116.25,54.31 116.26,54.3 117.9,54.3 118.7,55.1 118.7,64.725 v2(118.025,65.4)
  Bottom Layer w0.25: v2(107.365,66.915) 116.51,66.915 v2(118.025,65.4)
JTAG_TMS: J2.2 U5.66 | length 33.5
  Top Layer w0.25: U5.66@105,75.9 105.02,75.92 105.799,75.92 105.813,75.933 106.542,75.933 v4(106.575,75.9) ; v2(105.35,66.5) 106.533,65.317 v2(107.308,65.317) ; J2.2@116.25,56.85 116.293,56.893 117.593,56.893 117.8,57.1 117.8,63.325 v2(116.95,64.175)
  Bottom Layer w0.25: v2(105.35,66.5) 105.35,68.532 107.025,70.207 107.025,75.006 106.661,75.37 106.661,75.582 106.632,75.611 106.632,75.823 v4@106.575,75.881 ; v2(107.308,65.317) 115.808,65.317 v2(116.95,64.175)